# Altium PCB NFC_EEG.PcbDoc (part 3 of 3)
Units mm, origin at the board's own origin, x right, y up, seen from the top; angles counter-clockwise.
Board outline 56 x 56 mm, 4 copper layers (Top Layer, signal1, signal2, Bottom Layer), stack 0.78 mm thick; 398 components, 204 nets, 1107 pads, 469 vias.
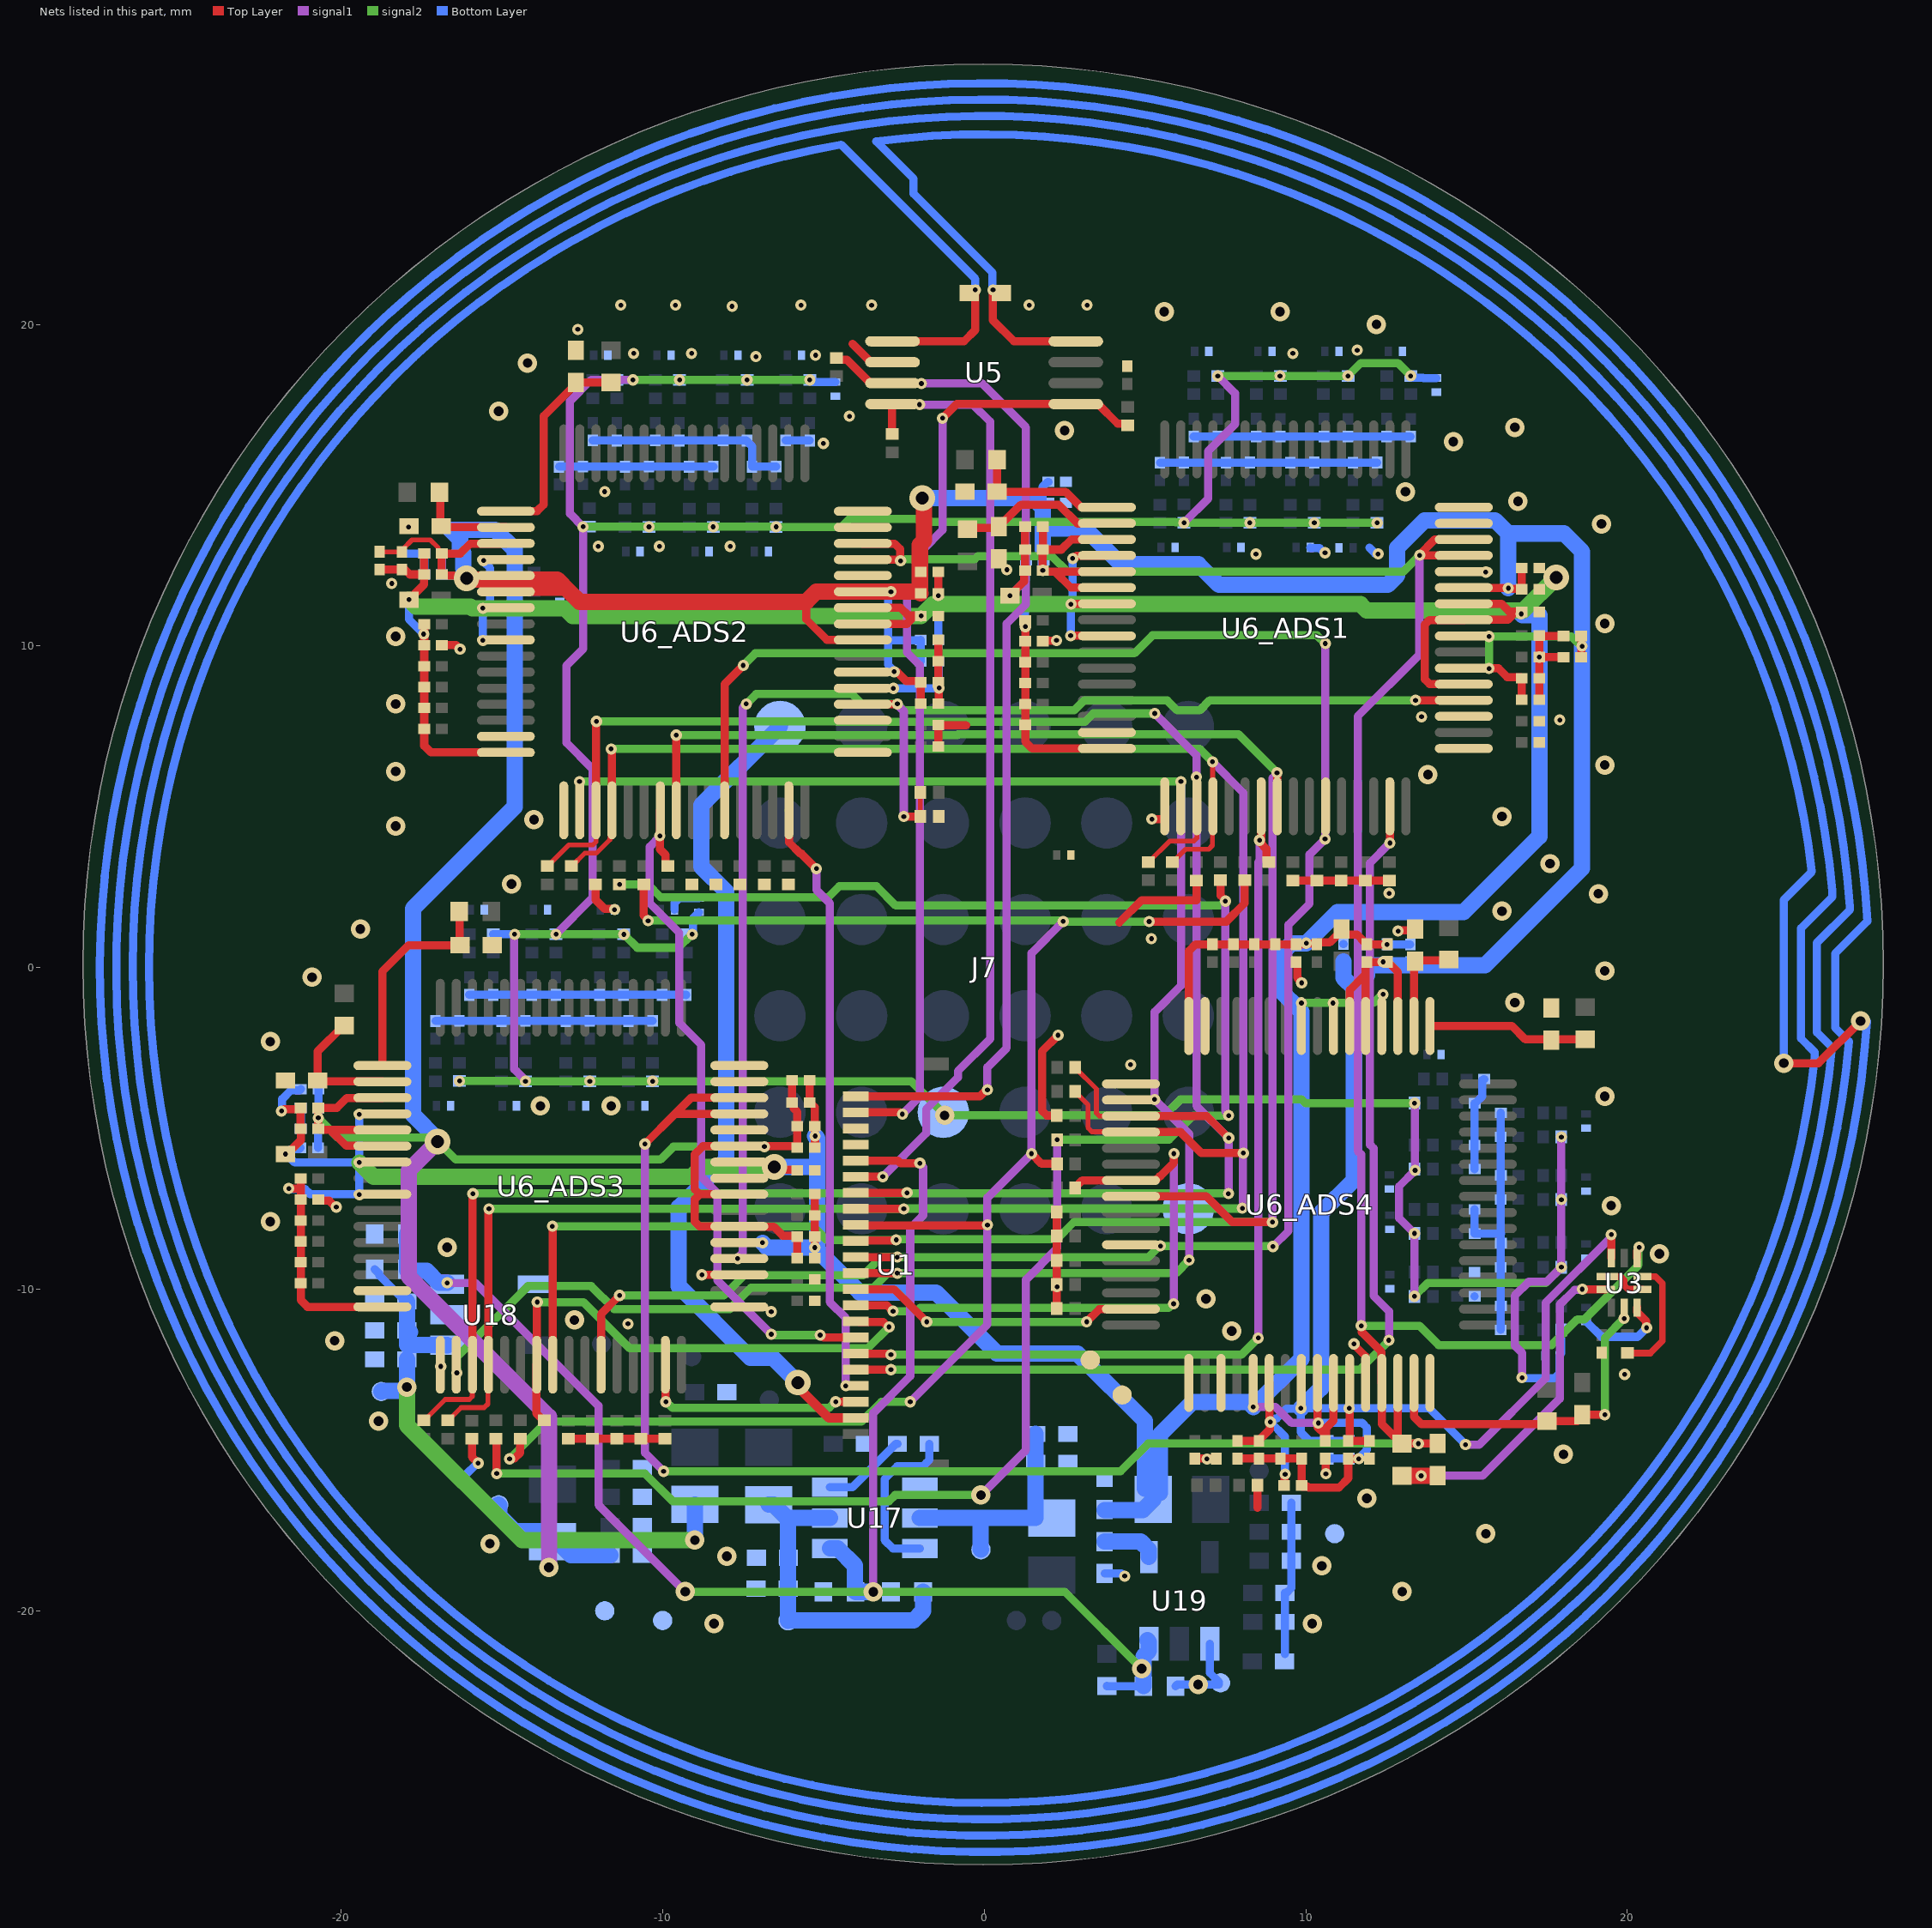
[diagram p5: the nets of this part, all layers, seen from the top]

## Via types
v1: diameter 0.35, hole 0.15, Top Layer to Bottom Layer, tented both sides, 392 vias
v2: diameter 0.6, hole 0.3, Top Layer to Bottom Layer, tented both sides, 66 vias
v3: diameter 0.8, hole 0.4, Top Layer to Bottom Layer, tented both sides, 8 vias
v4: diameter 0.4, hole 0.2, Top Layer to Bottom Layer, tented both sides, 2 vias
v5: diameter 0.6, hole 0.3, Top Layer to Bottom Layer, 1 vias

## Nets (pads, with @x,y where several pads share a name; then routed paths per layer and width w, separated by ;. In a path a pad name is that pad's centre, name@x,y a point inside that pad or via, vN(x,y) a via of type N, cw(c..) or ccw(c..) an arc to the next point about the centre after c; other vN are vias at no path point) (continued)
ADS_BIASIN: C65.1 R22.2 U3.8 U6_ADS1.61 U6_ADS1.62 U6_ADS2.61 U6_ADS2.62 U6_ADS3.61 U6_ADS3.62 U6_ADS4.61 U6_ADS4.62 | length 104.6
  Top Layer w0.254: v1(-10.55,-5.482) -9.614,-4.546 ; U6_ADS3.61@-7.616,-4.546 -9.614,-4.546 ; U6_ADS3.62@-7.616,-4.046 -9.114,-4.046 -9.614,-4.546 ; U6_ADS2.61@-3.775,12.691 -3.77,12.686 v1@-2.662,12.686 ; U6_ADS2.62@-3.775,13.191 -3.77,13.186 -2.786,13.186 -2.618,13.018 -2.618,12.668 v1(-2.6,12.65) ; v1(11.726,-11.137) 11.745,-11.155 11.745,-11.336 12.36,-11.951 U6_ADS4.61@12.36,-12.91 ; U6_ADS4.61@12.365,-12.915 12.365,-14.19 R22.2@12.865,-14.69 ; U6_ADS4.62@12.865,-12.915 R22.2@12.865,-14.69 ; v1@13.544,12.813 U6_ADS1.61@14.915,12.815 U6_ADS1.61@14.915,12.815 ; v1(13.544,12.821) 13.544,12.847 14.006,13.31 14.91,13.31 U6_ADS1.62@14.915,13.315 ; C65.1@14.1,-14.8 v1(13.5,-14.8) R22.2@13,-14.8 12.975,-14.8 R22.2@12.865,-14.69 ; U3.8@20.303,-9.028 20.303,-8.808 U3.8@20.306,-8.805
  signal1 w0.254: v1(-10.55,-5.482) -10.55,-15.082 v1(-9.971,-15.66) ; v1(11.726,-11.137) 11.726,-5.809 11.617,-5.7 11.617,7.817 13.535,9.735 13.535,12.812 v1(13.544,12.821)
  signal2 w0.254: v1(-9.971,-15.66) 4.24,-15.66 5.1,-14.8 v1(13.5,-14.8) ; v1@-2.6,12.7 -0.291,12.7 -0.2,12.791 2.109,12.791 2.582,12.318 13.04,12.318 v1(13.544,12.821) ; v1(11.726,-11.137) 13.537,-11.137 14.135,-11.735 17.643,-11.735 18.445,-10.933 18.667,-10.933 20.351,-9.249 20.351,-8.711 v1(20.369,-8.693)
ADS_BIASOUT: C64.2 R21.1 U3.4 U6_ADS4.63 | length 10.5
  Top Layer w0.254: U6_ADS4.63@13.37,-12.92 13.37,-13.97 13.6,-14.2 17.4,-14.2 R21.1@17.5,-14.1 18.45,-14.1 18.6,-13.95 C64.2@18.6,-13.9 v1(19.3,-13.9)
  signal2 w0.254: v1(19.3,-13.9) 19.3,-11.513 v1(19.903,-10.91)
ADS_CLK: R27_ADS1.1 R27_ADS2.1 R27_ADS3.1 R27_ADS4.1 | length 61.1
  Top Layer w0.254: R27_ADS3.1@-15.181,-14.646 -15.17,-14.657 -15.17,-15.718 v1(-15.159,-15.73) ; R27_ADS1.1@7.35,2.715 7.35,2.242 7.5,2.092 v1(7.5,2.066)
  signal1 w0.254: v2(-0.1,-16.4) 1.3,-15 1.3,-9.7 2.265,-8.735 v1(2.265,-5.35) ; v1(7.5,2.066) 7.5,-4.474 7.6,-4.574 v1(7.6,-4.6)
  signal2 w0.254: v1(-15.159,-15.73) -10.549,-15.73 -9.687,-16.591 -2.963,-16.591 -2.771,-16.4 v2(-0.1,-16.4) ; v1(-11.34,2.591) -10.461,2.591 -10.058,2.188 -4.85,2.188 -4.509,2.528 -3.348,2.528 -2.75,1.93 7.338,1.93 7.474,2.066 v1(7.5,2.066) ; v1(2.265,-5.35) 5.75,-5.35 6.5,-4.6 v1(7.6,-4.6)
ADS_CLKSEL: R23.2 R24.2 U6_ADS1.52 U6_ADS2.52 U6_ADS3.52 | length 46.4
  Top Layer w0.152: R24.2@-1.985,4.7 R23.2@-1.985,5.45
  Top Layer w0.254: v1(-7.665,-9.049) -7.662,-9.046 U6_ADS3.52@-7.616,-9.046 ; U6_ADS2.52@-3.775,8.191 -3.77,8.195 -2.705,8.195 v1(-2.7,8.2) ; v1(-2.5,4.7) R24.2@-1.985,4.7 ; v1(13.415,8.315) U6_ADS1.52@14.915,8.315
  signal1 w0.254: v1(-7.665,-9.049) -7.665,-9.023 -7.515,-8.874 -7.515,8.085 v1(-7.4,8.2) ; v1(-2.7,8.2) -2.7,8.174 -2.5,7.974 v1(-2.5,4.7)
  signal2 w0.254: v1(-7.4,8.2) -7.094,8.506 -4.106,8.506 -3.8,8.2 v1(-2.7,8.2) -2.499,7.999 2.799,7.999 3.108,8.308 5.692,8.308 6,8 6.7,8 7.015,8.315 v1(13.415,8.315)
ADS_DRDY1: U1.5 U6_ADS1.47 | length 34
  Top Layer w0.254: U1.5@-3.9,-12.5 v1(-2.9,-12.5) ; U6_ADS1.47@12.615,5.015 U6_ADS1.47@12.615,5.015 12.616,3.876 v1(12.618,3.874)
  signal1 w0.254: v1(12.583,-11.587) 12.593,-11.578 12.593,-10.69 12.113,-10.21 12.113,-5.62 12,-5.507 12,3.256 v1(12.618,3.874)
  signal2 w0.254: v1(-2.9,-12.5) 11.68,-12.5 12.583,-11.597 v1(12.583,-11.587)
ADS_DRDY2: U1.4 U6_ADS2.47 | length 19
  Top Layer w0.254: U6_ADS2.47@-6.075,4.891 -6.07,4.886 -6.07,3.897 -5.719,3.545 -5.686,3.545 v1(-5.219,3.079) ; v1(-4.303,-13.002) -4.301,-13 U1.4@-3.9,-13
  signal1 w0.254: v1(-5.219,3.079) -5.219,2.419 -4.803,2.003 -4.803,-10.397 -4.303,-10.897 v1(-4.303,-13.002)
ADS_DRDY3: U1.3 U6_ADS3.47 | length 7.3
  Top Layer w0.254: U6_ADS3.47@-9.916,-12.346 -9.911,-12.351 -9.911,-13.489 v1(-9.9,-13.5) ; v1(-4.618,-13.5) U1.3@-3.9,-13.5
  signal2 w0.254: v1(-9.9,-13.5) -9.887,-13.5 -9.703,-13.684 -4.814,-13.684 -4.63,-13.5 v1(-4.618,-13.5)
ADS_DRDY4: U1.10 U6_ADS4.47 | length 9
  Top Layer w0.254: U1.10@-3.9,-10 -2.8,-10 v1(-1.786,-11.014) ; v1(3.185,-11.014) 3.579,-10.62 4.56,-10.62 U6_ADS4.47@4.565,-10.615
  signal2 w0.254: v1(-1.786,-11.014) v1(3.185,-11.014)
ADS_PWDN: R34_ADS1.2 R34_ADS2.2 R34_ADS3.2 R34_ADS4.2 U1.16 U6_ADS1.35 U6_ADS2.35 U6_ADS3.35 U6_ADS4.35 | length 81.9
  Top Layer w0.152: R34_ADS3.2@-17.435,-14.08 -17.415,-14.08 -16.763,-13.428 -16.013,-13.428 -15.92,-13.335 U6_ADS3.35@-15.92,-12.35 ; R34_ADS2.2@-13.59,3.161 -13.57,3.161 -12.918,3.813 -12.168,3.813 -12.075,3.906 U6_ADS2.35@-12.075,4.891 ; R34_ADS4.2@2.835,-3.1 2.835,-3.12 3.487,-3.772 3.487,-4.522 3.58,-4.615 U6_ADS4.35@4.565,-4.615 ; R34_ADS1.2@5.1,3.285 5.12,3.285 5.772,3.937 6.522,3.937 6.615,4.03 U6_ADS1.35@6.615,5.015
  Top Layer w0.254: U6_ADS3.35@-15.916,-12.346 -15.911,-12.341 -15.911,-7.042 v1(-15.9,-7.031) ; U6_ADS2.35@-12.075,4.891 -12.07,4.896 -12.07,7.643 v1(-12.057,7.657) ; U1.16@-3.9,-7 v1(-2.4,-7) ; U6_ADS4.35@4.565,-4.615 6.924,-4.615 v1(7.606,-5.296) ; v1(6.603,5.925) 6.61,5.918 6.61,5.02 U6_ADS1.35@6.615,5.015
  signal1 w0.254: v1(5.304,7.904) 6.603,6.605 v1(6.603,5.925) 6.603,-4.299 7.6,-5.296 7.6,-7.022 v1(7.595,-7.028)
  signal2 w0.254: v1(-15.9,-7.031) -15.885,-7.015 -2.415,-7.015 v1(-2.4,-7) -2.386,-7.014 7.581,-7.014 v1(7.595,-7.028) ; v1(-12.057,7.657) -4.589,7.657 -4.575,7.643 3.135,7.643 3.395,7.904 v1(5.304,7.904)
ADS_REF: D12_ADS1.1 D12_ADS2.1 D12_ADS3.1 D12_ADS4.1 J7.27 R41_ADS1.2 R41_ADS2.2 R41_ADS3.2 R41_ADS4.2 R43_ADS1.2 R43_ADS2.2 R43_ADS3.2 R43_ADS4.2 R45_ADS1.2 R45_ADS2.2 R45_ADS3.2 R45_ADS4.2 R47_ADS1.2 R47_ADS2.2 R47_ADS3.2 R47_ADS4.2 R49_ADS1.2 R49_ADS2.2 R49_ADS3.2 R49_ADS4.2 R51_ADS1.2 R51_ADS2.2 R51_ADS3.2 R51_ADS4.2 R53_ADS1.2 R53_ADS2.2 R53_ADS3.2 R53_ADS4.2 R56_ADS1.2 R56_ADS2.2 R56_ADS3.2 R56_ADS4.2 | length 129.2
  signal1 w0.254: v1(-14.603,1.036) -14.617,1.023 -14.617,-3.155 -14.266,-3.505 v1(-14.266,-3.531) ; v1(-13.316,1.039) -12.18,2.175 -12.18,6.181 -12.989,6.99 -12.989,9.395 -12.475,9.909 v1(-12.475,13.711) -12.881,14.117 -12.881,17.619 -12.224,18.276 v1(-10.924,18.276) ; v1(6.215,13.835) 6.967,14.587 6.967,16.067 7.8,16.9 7.8,17.86 v1(7.265,18.395) ; v1(13.38,-10.219) v1(13.38,-8.265) 12.9,-7.785 12.9,-6.804 v1(13.4,-6.304) 13.4,-4.23 v1(13.385,-4.215) ; v1(16.725,-12.75) 16.725,-11.974 16.5,-11.75 16.5,-10.2 16.933,-9.767 17.498,-9.767 v1(17.95,-9.315) v1(17.95,-7.215) v1(17.95,-5.265)
  signal2 w0.254: v1(-16.316,-3.526) -14.271,-3.526 v1(-14.266,-3.531) v1(-12.266,-3.531) v1(-10.312,-3.531) -2.269,-3.531 -1.232,-4.568 v2(-1.232,-4.594) 5.606,-4.594 6.1,-4.1 9.872,-4.1 9.987,-4.215 v1(13.385,-4.215) ; v1(-14.603,1.036) -14.602,1.037 -13.317,1.037 v1(-13.316,1.039) -13.314,1.036 -11.205,1.036 v1(-11.203,1.034) -10.789,0.62 -9.509,0.62 -9.091,1.038 v1(-9.081,1.038) ; v1(-12.475,13.711) -12.472,13.708 -6.473,13.708 v1(-6.47,13.706) -4.437,13.706 -4.185,13.958 -2.058,13.958 -1.958,13.858 5.943,13.858 5.948,13.853 6.196,13.853 v1(6.215,13.835) ; v1(-10.924,18.276) v1(-9.475,18.276) v1(-7.375,18.276) v1(-5.425,18.276) ; v1(6.215,13.835) v1@8.262,13.834 ; v1(7.265,18.395) 7.267,18.398 11.313,18.398 v1(11.315,18.4) 11.715,18.8 12.864,18.8 v1(13.265,18.4) ; v1(8.263,13.834) 12.217,13.832 v1(12.219,13.83) ; v1(13.38,-10.219) 13.799,-9.8 17.464,-9.8 v1(17.95,-9.315)
  Bottom Layer w0.254: R53_ADS3.2@-15.266,1.039 R53_ADS3.2@-15.266,1.039 -14.604,1.037 v1(-14.603,1.036) ; R53_ADS2.2@-11.425,18.276 v1(-10.924,18.276) v1@-10.9,18.3 ; v1(-9.081,1.038) -9.063,1.056 -9.063,1.528 -8.892,1.7 -8.892,1.711 -8.88,1.723 D12_ADS3.1@-8.869,1.723 ; v1(-5.425,18.276) -5.405,18.276 -5.34,18.211 D12_ADS2.1@-4.625,18.211 ; v1(13.265,18.4) 13.318,18.347 13.653,18.347 13.665,18.335 D12_ADS1.1@14.065,18.335 ; v1(16.725,-12.75) 16.743,-12.769 17.277,-12.769 17.279,-12.77 17.736,-12.77 17.885,-12.622 D12_ADS4.1@17.885,-12.065 17.885,-12.054 17.95,-11.989 R41_ADS4.2@17.95,-11.265
  other v1: -10.425,13.706 -8.425,13.706 10.265,13.83 9.2,18.4
ADS_RESET: R33_ADS1.2 R33_ADS2.2 R33_ADS3.2 R33_ADS4.2 U1.15 U6_ADS1.36 U6_ADS2.36 U6_ADS3.36 U6_ADS4.36 | length 80.4
  Top Layer w0.152: R33_ADS3.2@-16.685,-14.08 -16.665,-14.08 -16.267,-13.682 -15.552,-13.682 -15.435,-13.565 U6_ADS3.36@-15.435,-12.365 ; R33_ADS2.2@-12.84,3.161 -12.82,3.161 -12.422,3.559 -12.063,3.559 -11.639,3.983 -11.639,4.033 -11.575,4.096 U6_ADS2.36@-11.575,4.891 ; R33_ADS4.2@2.835,-3.85 2.835,-3.87 3.233,-4.268 3.233,-4.983 3.35,-5.1 4.55,-5.1 U6_ADS4.36@4.565,-5.115 ; R33_ADS1.2@5.85,3.285 5.87,3.285 6.268,3.683 6.983,3.683 7.1,3.8 7.1,5 U6_ADS1.36@7.115,5.015 7.107,5.022 7.107,6.393 v1(7.1,6.4)
  Top Layer w0.254: U6_ADS3.36@-15.416,-12.346 v1@-15.416,-7.5 ; v1(-11.6,6.8) -11.6,6.774 -11.575,6.749 U6_ADS2.36@-11.575,4.891 ; U1.15@-3.9,-7.5 v1(-2.5,-7.5) ; U6_ADS4.36@4.565,-5.115 6.107,-5.115 6.758,-5.766 v1(8.06,-5.766)
  signal1 w0.254: v1(7.1,6.4) 8.06,5.44 v1(8.06,-5.766) ; v1(8.03,-7.48) 8.045,-7.466 v1@8.045,-5.766
  signal2 w0.254: v1(-15.4,-7.5) v1(-2.5,-7.5) -2.49,-7.49 8.02,-7.49 v1(8.03,-7.48) ; v1(-11.6,6.8) 6.7,6.8 v1(7.1,6.4)
ADS_SPI_CLK: U1.13 U6_ADS1.40 U6_ADS2.40 U6_ADS3.40 U6_ADS4.40 | length 69.6
  Top Layer w0.254: v1(-13.429,-8.039) -13.421,-8.047 -13.421,-12.341 U6_ADS3.40@-13.416,-12.346 ; v1(-9.578,7.232) -9.575,7.229 U6_ADS2.40@-9.575,4.891 ; U1.13@-3.9,-8.5 -3.882,-8.482 -2.753,-8.482 v1(-2.736,-8.465) ; U6_ADS4.40@4.565,-7.115 6.915,-7.115 7.715,-7.915 v1(8.967,-7.915) ; v1(9.107,6.06) 9.111,6.056 9.111,5.019 U6_ADS1.40@9.115,5.015
  signal1 w0.254: v1(8.967,-7.915) 8.967,5.894 9.107,6.034 v1(9.107,6.06)
  signal2 w0.254: v1(-13.429,-8.039) -5.324,-8.039 -4.898,-8.465 v1(-2.736,-8.465) ; v1(-9.578,7.232) -0.83,7.232 -0.808,7.253 7.914,7.253 v1(9.107,6.06) ; v1@-2.706,-8.461 -2.691,-8.446 2.254,-8.446 2.79,-7.91 8.962,-7.91 v1(8.967,-7.915)
ADS_SPI_CS0: R25_ADS1.2 U1.6 U6_ADS1.39 | length 30
  Top Layer w0.254: U1.6@-3.9,-12 -2.96,-12 -2.925,-12.035 v1(-2.899,-12.035) ; v1(8.563,3.963) 8.581,3.945 8.581,3.886 8.777,3.69 8.777,3.338 8.83,3.285 R25_ADS1.2@8.85,3.285 ; v1@8.615,3.963 U6_ADS1.39@8.615,5.015
  signal1 w0.254: v1(8.523,-11.515) 8.523,3.28 8.563,3.32 v1(8.563,3.963)
  signal2 w0.254: v1(-2.899,-12.035) 8.003,-12.035 v1(8.523,-11.515)
ADS_SPI_CS1: R25_ADS2.2 U1.7 U6_ADS2.39 | length 21.8
  Top Layer w0.254: U6_ADS2.39@-10.075,4.891 -10.086,4.88 -10.086,3.686 -9.906,3.506 -9.906,3.214 -9.853,3.161 R25_ADS2.2@-9.84,3.161 ; v1(-5.1,-11.426) -5.074,-11.426 -5,-11.5 U1.7@-3.9,-11.5
  signal1 w0.254: v1(-10.086,4.1) -10.086,4.074 -10.4,3.76 -10.4,2 -9.485,1.085 -9.485,-1.715 -8.8,-2.4 -8.8,-6.503 -8.3,-7.003 -8.3,-9.721 v1(-6.621,-11.4)
  signal2 w0.254: v1(-6.621,-11.4) -6.603,-11.418 -6.535,-11.418 -6.527,-11.426 v1(-5.1,-11.426)
ADS_SPI_CS2: R25_ADS3.2 U1.8 U6_ADS3.39 | length 16.6
  Top Layer w0.254: U6_ADS3.39@-13.92,-12.35 -13.92,-13.865 -13.705,-14.08 R25_ADS3.2@-13.685,-14.08 ; U6_ADS3.39@-13.916,-12.346 -13.911,-12.341 -13.911,-10.411 v1(-13.9,-10.4) ; U1.8@-3.9,-11 -3.877,-11.023 -3.134,-11.023 -2.984,-11.174 v1(-2.958,-11.174)
  signal2 w0.254: v1(-13.9,-10.4) -12.464,-10.4 -11.034,-11.83 -3.614,-11.83 v1(-2.958,-11.174)
ADS_SPI_CS3: R25_ADS4.2 U1.9 U6_ADS4.39 | length 18.3
  Top Layer w0.254: U1.9@-3.9,-10.5 -3.028,-10.5 -2.846,-10.682 v1(-2.835,-10.682) ; R25_ADS4.2@2.835,-6.85 2.835,-6.83 3.05,-6.615 U6_ADS4.39@4.565,-6.615 5.332,-6.615 5.463,-6.483 5.477,-6.483 5.9,-6.061 v1(5.9,-5.784)
  signal1 w0.254: v1(5.892,-10.453) 5.896,-10.449 5.896,-5.788 v1(5.9,-5.784)
  signal2 w0.254: v1(-2.835,-10.682) -2.1,-10.682 -2,-10.582 5.737,-10.582 5.866,-10.453 v1(5.892,-10.453)
ADS_SPI_MISO: U1.12 U6_ADS1.43 U6_ADS2.43 U6_ADS3.43 U6_ADS4.43 | length 67.3
  Top Layer w0.254: U6_ADS3.43@-11.916,-12.346 -11.916,-10.772 v1(-11.337,-10.193) ; U6_ADS2.43@-8.075,4.891 -8.075,8.814 v1(-7.492,9.396) ; U1.12@-3.9,-9 v1(-2.704,-9)
  signal1 w0.254: v1(8.978,-8.671) 8.981,-8.671 9.462,-8.19 9.462,1.334 10.118,1.989 10.118,3.518 v1(10.6,4) 10.604,4.004 10.604,10.073 v1(10.609,10.077)
  signal2 w0.254: v1(-11.337,-10.193) -8.093,-10.193 -7.464,-9.564 -3.764,-9.564 -3.2,-9 v1(-2.704,-9) 5.111,-9 5.455,-8.656 v1(5.481,-8.656) ; v1(-7.492,9.396) -7.116,9.773 4.673,9.773 5.236,10.336 10.349,10.336 v1(10.609,10.077) ; v1@5.483,-8.654 5.493,-8.664 8.971,-8.664 v1(8.978,-8.671)
ADS_SPI_MOSI: U1.11 U6_ADS1.34 U6_ADS2.34 U6_ADS3.34 U6_ADS4.34 | length 61.6
  Top Layer w0.254: v1(-12.586,5.786) -12.58,5.78 -12.58,4.896 U6_ADS2.34@-12.575,4.891 ; U1.11@-3.9,-9.5 v1(-2.704,-9.5)
  signal1 w0.254: v1(6.118,5.786) 6.12,5.783 6.12,-0.56 5.3,-1.38 v1(5.3,-4.1) 6.373,-5.173 v1(6.373,-9.095)
  signal2 w0.254: v1(-16.4,-12.6) -16.396,-12.596 -16.396,-12.106 -14.19,-9.9 -12.222,-9.9 -11.509,-10.613 -7.913,-10.613 -7.256,-9.956 -5.983,-9.956 -5.982,-9.954 -3.454,-9.954 -3,-9.5 v1(-2.704,-9.5) 5.968,-9.5 v1(6.373,-9.095) ; v1(-12.586,5.786) v1(6.118,5.786)
ADS_START: R26_ADS1.1 R26_ADS2.1 R26_ADS3.1 R26_ADS4.1 U1.14 | length 56.6
  Top Layer w0.254: v1(-14.76,-15.275) -14.742,-15.257 -14.606,-15.257 -14.431,-15.082 R26_ADS3.1@-14.431,-14.646 ; R26_ADS2.1@-10.59,2.591 -10.59,1.621 -10.45,1.482 v1(-10.45,1.456) ; U1.14@-3.9,-8 -3.888,-8.012 0.088,-8.012 v1(0.1,-8) ; v1(1.471,-5.784) 1.787,-6.1 R26_ADS4.1@2.265,-6.1 ; v1(5.131,1.433) 7.533,1.433 8.1,2 R26_ADS1.1@8.1,2.715
  signal1 w0.254: v1(-2.3,-13.5) 0.1,-11.1 v1(0.1,-8) 0.1,-7.155 v1(1.471,-5.784) 1.471,0.451 v1(2.456,1.436)
  signal2 w0.254: v1(-14.76,-15.275) -13.597,-14.111 -3.811,-14.111 -3.2,-13.5 v1(-2.3,-13.5) ; v1@-10.435,1.471 2.395,1.471 2.43,1.436 v1(2.456,1.436) ; v1@2.456,1.433 v1(5.131,1.433)
ANT: C17.1 C17.2 U5.1 U5.8 | length 697.3
  Top Layer w0.254: U5.1@-2.85,19.475 -0.625,19.475 -0.274,19.826 -0.274,20.6 v1(-0.274,21.074) ; v1(0.274,21.074) 0.274,20.6 0.274,20.126 0.925,19.475 U5.8@2.85,19.475 ; v2(24.869,-2.971) 25.946,-2.971 v2(27.257,-1.66)
  Bottom Layer w0.254: v1(-0.274,21.074) -0.274,21.415 -4.451,25.592 ccw(c0,0) 25.826,-2.792 25.826,-2.626 25.4,-2.2 25.4,1.223 26.375,2.198 26.375,2.398 ccw(c0,0) 26.367,-2.483 25.9,-2.015 25.9,0.777 26.925,1.802 26.925,1.902 ccw(c0,0) 26.894,-2.299 26.468,-1.874 26.468,0.445 27.462,1.439 ccw(c0,0) v2@27.449,-1.671 ; v1(0.274,21.074) 0.256,21.093 0.256,21.616 -2.2,24.071 -2.2,24.536 -3.356,25.693 cw(c0,0) 25.739,2.983 24.869,2.113 v2(24.869,-2.971)
AVDD: C19_ADS1.1 C19_ADS2.1 C19_ADS3.1 C19_ADS4.1 C20_ADS1.1 C20_ADS2.1 C20_ADS3.1 C20_ADS4.1 C21_ADS1.1 C21_ADS2.1 C21_ADS3.1 C21_ADS4.1 C22_ADS1.1 C22_ADS2.1 C22_ADS3.1 C22_ADS4.1 C23_ADS1.1 C23_ADS2.1 C23_ADS3.1 C23_ADS4.1 C24_ADS1.1 C24_ADS2.1 C24_ADS3.1 C24_ADS4.1 C25_ADS1.1 C25_ADS2.1 C25_ADS3.1 C25_ADS4.1 C26_ADS1.1 C26_ADS2.1 C26_ADS3.1 C26_ADS4.1 C27_ADS1.1 C27_ADS2.1 C27_ADS3.1 C27_ADS4.1 C28_ADS1.1 C28_ADS2.1 C28_ADS3.1 C28_ADS4.1 C33_ADS1.1 C33_ADS2.1 C33_ADS3.1 C33_ADS4.1 C34_ADS1.1 C34_ADS2.1 C34_ADS3.1 C34_ADS4.1 C109.1 C116.1 L4.2 TP10.1 U3.10 U6_ADS1.19 U6_ADS1.21 U6_ADS1.22 U6_ADS1.54 U6_ADS1.56 U6_ADS1.59 U6_ADS2.19 U6_ADS2.21 U6_ADS2.22 U6_ADS2.54 U6_ADS2.56 U6_ADS2.59 U6_ADS3.19 U6_ADS3.21 U6_ADS3.22 U6_ADS3.54 U6_ADS3.56 U6_ADS3.59 U6_ADS4.19 U6_ADS4.21 U6_ADS4.22 U6_ADS4.54 U6_ADS4.56 U6_ADS4.59 | length 226.1
  Top Layer w0.152: C26_ADS2.1@-18.804,12.929 C25_ADS2.1@-18.109,12.928 ; C25_ADS2.1@-18.066,13.024 -17.792,13.298 -17.225,13.298 -16.977,13.05 -16.977,12.962 -16.891,12.876 C28_ADS2.1@-16.869,12.876
  Top Layer w0.254: U6_ADS3.22@-18.716,-5.546 -18.721,-5.541 -19.836,-5.541 -20.331,-5.046 ; U6_ADS3.21@-18.716,-5.046 -20.331,-5.046 ; U6_ADS3.19@-18.716,-4.046 -18.721,-4.051 -19.821,-4.051 -20.131,-4.361 C28_ADS3.1@-20.71,-4.361 v1(-20.71,-4.673) -20.71,-4.986 -20.65,-5.046 -20.331,-5.046 ; -16.49,12.191 -16.808,12.191 -16.869,12.252 C28_ADS2.1@-16.869,12.876 -16.29,12.876 -15.98,13.186 -14.88,13.186 U6_ADS2.19@-14.875,13.191 ; U6_ADS2.22@-14.875,11.691 -12.9,11.691 ; U6_ADS3.54@-7.621,-8.051 U6_ADS3.54@-7.616,-8.046 -8.854,-8.046 -9,-7.9 -9,-7.195 -8.851,-7.046 ; U6_ADS3.59@-7.621,-5.551 -8.751,-5.551 -9,-5.8 -9,-6.897 -8.851,-7.046 ; U6_ADS3.59@-7.62,-5.55 -5.89,-5.55 -5.841,-5.599 -5.819,-5.599 C20_ADS3.1@-5.819,-4.935 ; U6_ADS3.54@-7.615,-8.055 -6.545,-8.055 -6.265,-8.334 -5.854,-8.334 -5.819,-8.369 C24_ADS3.1@-5.819,-9.033 ; U6_ADS3.56@-7.616,-7.046 -8.851,-7.046 ; C21_ADS3.1@-5.974,-4.2 C22_ADS3.1@-5.974,-3.5 ; -5.917,-4.378 -5.815,-4.48 C20_ADS3.1@-5.815,-4.931 ; -5.533,11.377 -5.533,10.833 -4.896,10.196 -3.78,10.196 U6_ADS2.56@-3.775,10.191 ; v1@-2.699,9.186 -2.42,8.907 -2.009,8.907 C23_ADS2.1@-1.974,8.872 C24_ADS2.1@-1.974,8.207 ; C26_ADS1.1@1.821,12.353 C28_ADS1.1@1.821,13 1.823,13.002 1.823,13.71 C27_ADS1.1@1.824,13.712 ; C28_ADS1.1@1.824,13 2.4,13 2.71,13.31 3.81,13.31 U6_ADS1.19@3.815,13.315 ; C26_ADS1.1@1.881,12.315 2.2,12.315 ; U6_ADS1.22@3.815,11.815 3.81,11.82 2.695,11.82 2.2,12.315 ; U6_ADS1.21@3.815,12.315 2.2,12.315 ; C24_ADS4.1@7.881,-14.716 C23_ADS4.1@8.545,-14.716 8.545,-14.694 8.882,-14.358 8.882,-14.144 v1(8.9,-14.126) 8.9,-14.1 8.87,-14.07 8.87,-12.92 U6_ADS4.54@8.865,-12.915 ; C116.1@9.326,-16.1 9.342,-16.083 9.342,-15.769 v1(9.359,-15.753) ; U6_ADS4.59@11.365,-12.915 11.365,-13.7 11.365,-14.645 11.316,-14.694 C19_ADS4.1@11.316,-14.716 C20_ADS4.1@11.98,-14.716 ; U6_ADS4.22@11.365,-1.815 11.37,-1.81 11.37,-0.695 11.865,-0.2 ; U6_ADS4.21@11.865,-1.815 11.865,-0.2 ; U6_ADS4.19@12.865,-1.815 12.86,-1.81 12.86,-0.131 12.61,0.119 12.585,0.119 12.55,0.154 C28_ADS4.1@12.55,0.179 v1(12.404,0.179) 11.925,0.179 11.865,0.119 11.865,-0.2 ; U6_ADS1.54@14.915,9.315 14.92,9.31 15.99,9.31 16.27,9.03 16.681,9.03 C23_ADS1.1@16.716,8.995 C24_ADS1.1@16.716,8.331 ; U6_ADS1.59@14.915,11.815 14.92,11.81 16.29,11.81 v1(16.3,11.8) 16.317,11.783 16.659,11.783 16.676,11.766 C19_ADS1.1@16.716,11.766 C20_ADS1.1@16.716,12.43 ; C22_ADS1.1@18.564,9.648 C21_ADS1.1@18.564,10.312 ; U3.10@19.5,-9.032 v1@19.5,-8.4
  Top Layer w0.508: v3(-16.1,12.1) -16.069,12.069 -13.279,12.069 -12.9,11.691 -12.586,11.377 -5.533,11.377 -5.224,11.686 -3.779,11.686 U6_ADS2.59@-3.775,11.691 v1(-2.899,11.691) -2.022,11.691 C19_ADS2.1@-2,11.668 ; C19_ADS2.1@-1.974,11.642 C19_ADS2.1@-2,11.668 ; v3(-1.933,14.598) -1.933,14.519 -1.867,14.454 -1.867,13.282 -2,13.15 C19_ADS2.1@-2,11.668